# Altium PCB PicoHAL.pcbdoc (part 2 of 5) (continued)
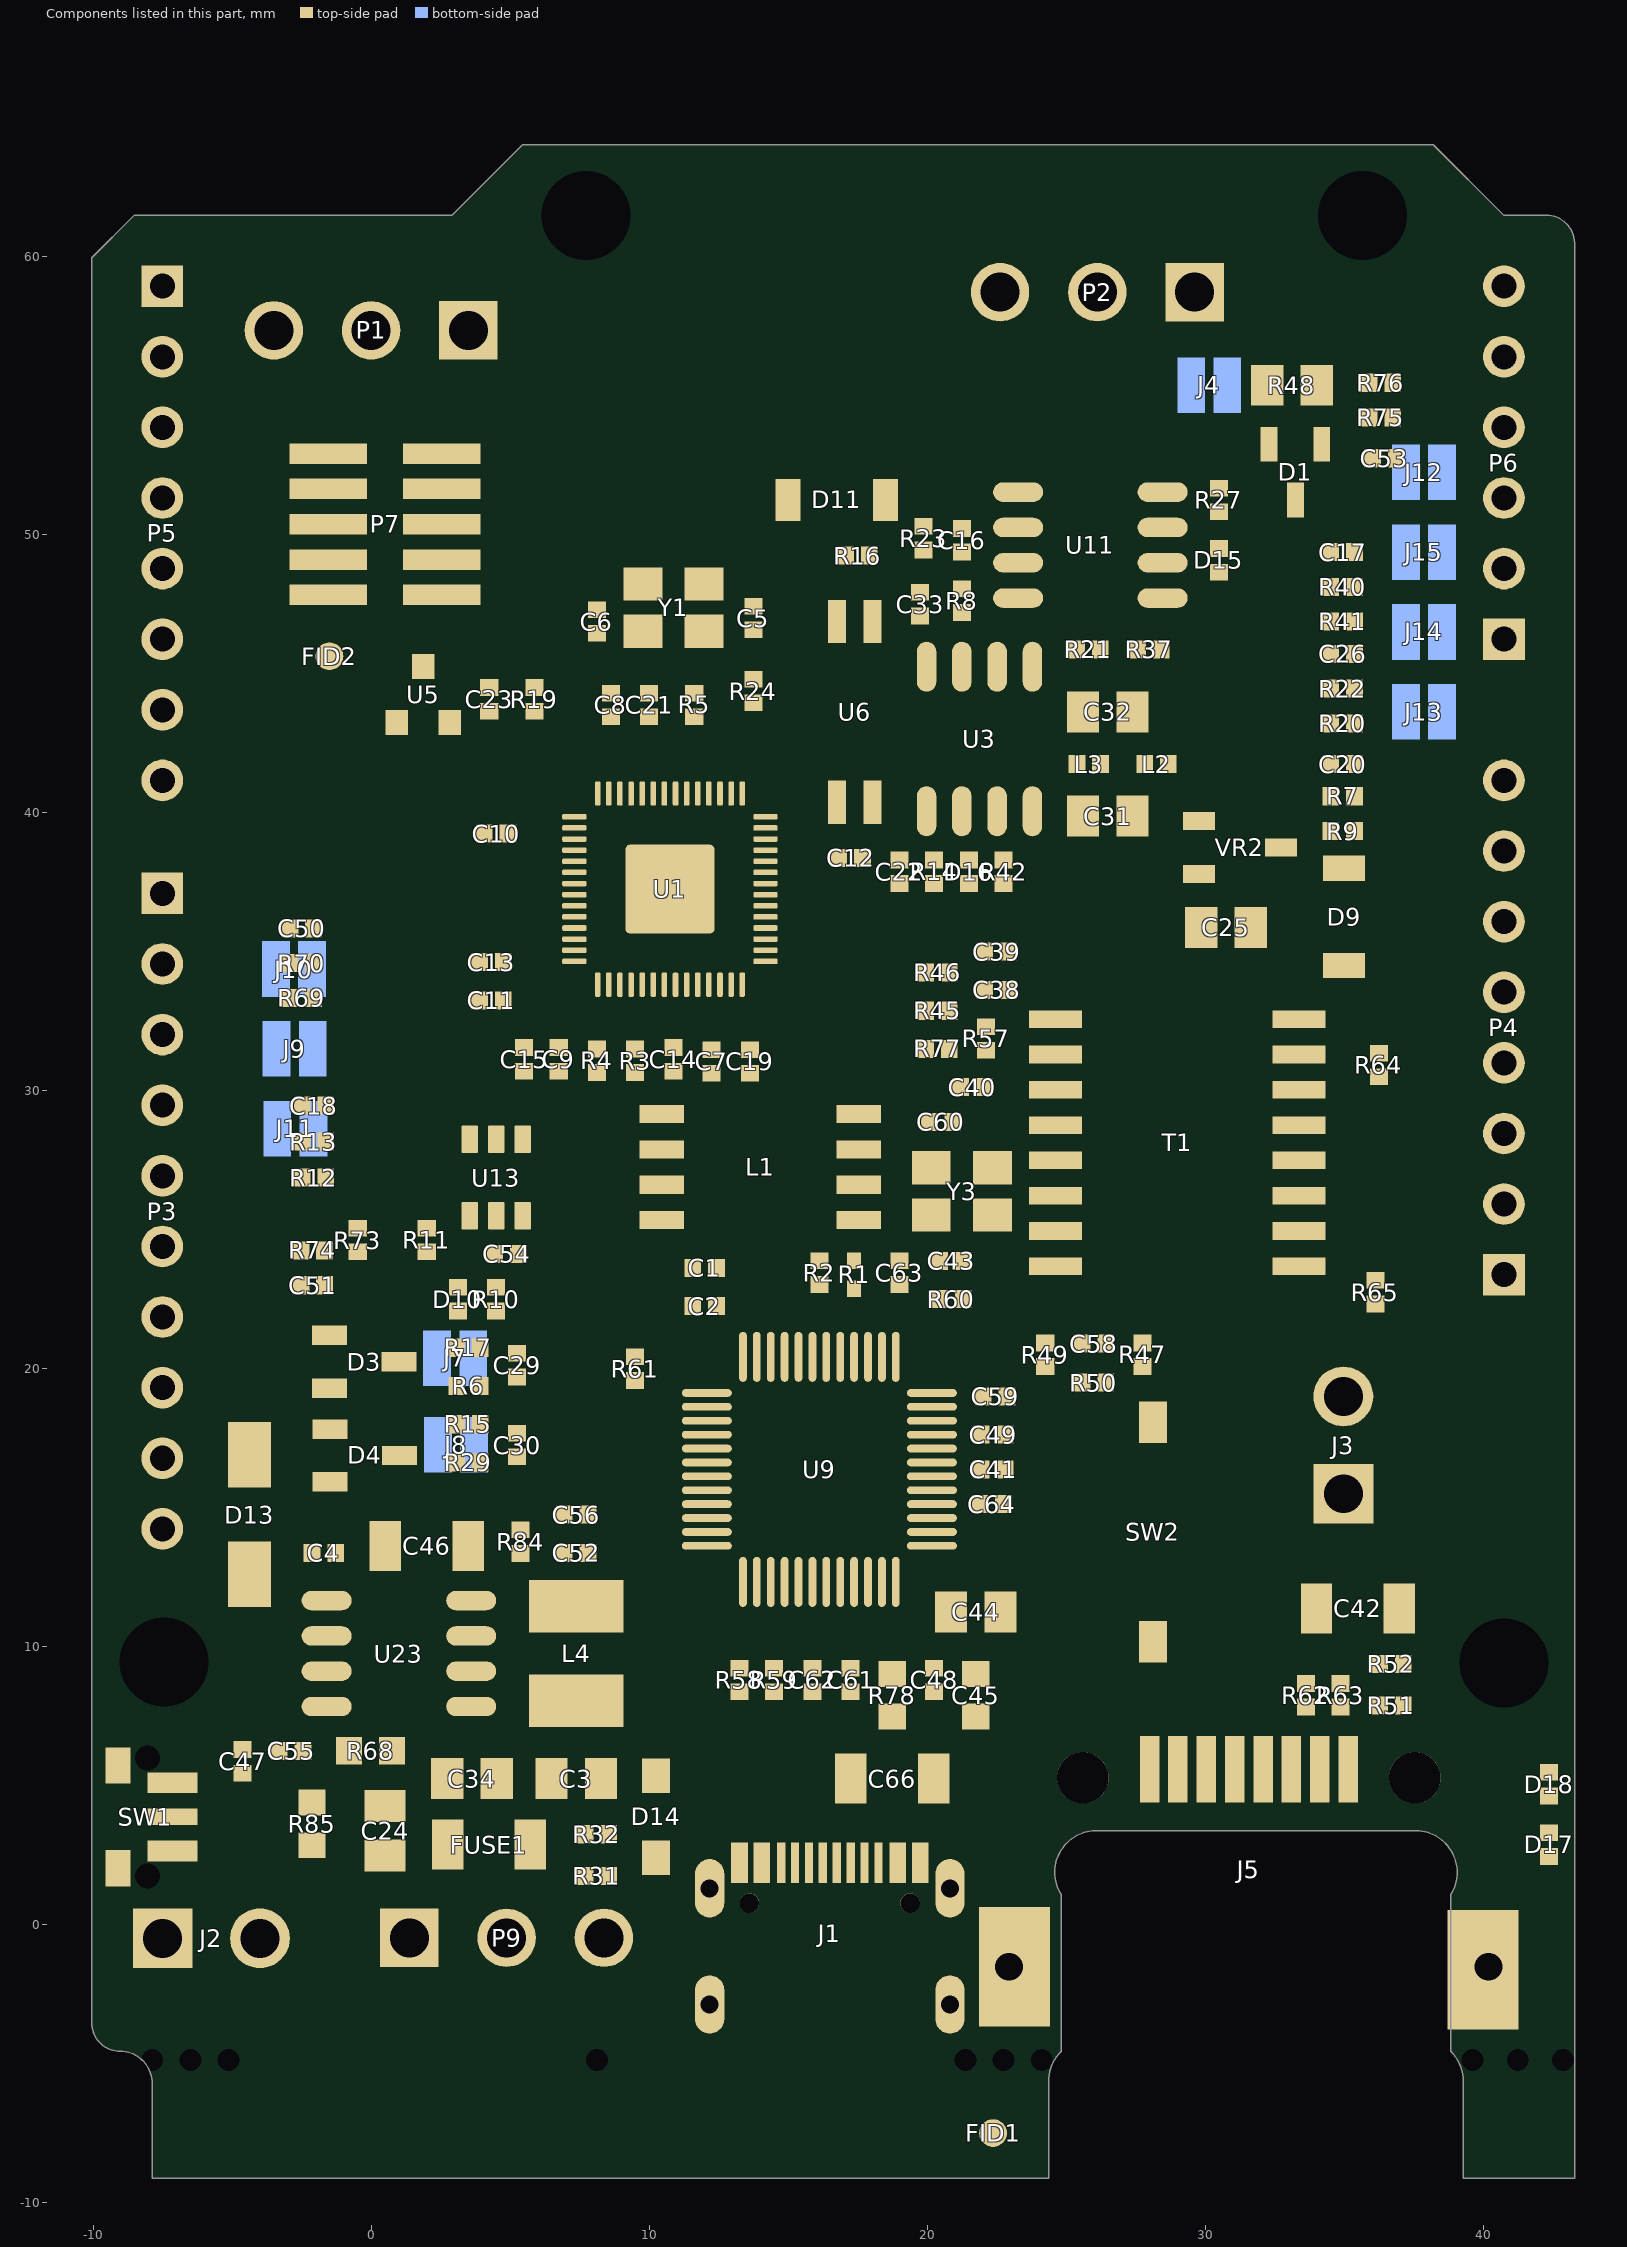
[diagram p4: the components of this part, seen from the top]
## Free pads (board coordinates) (continued)
1(13.932,58.103) 1(13.932,58.103) 1(13.951,58.084) 1(13.951,58.084) 1(13.964,55.602) 1(13.964,55.602) 1(13.964,58.084) 1(13.964,58.084) 1(13.983,58.064) 1(13.983,58.064) 1(13.996,58.064) 1(13.996,58.064) 1(14.009,55.608) 1(14.009,55.608) 1(14.015,58.045) 1(14.015,58.045) 1(14.028,56.156) 1(14.028,56.156) 1(14.028,58.045) 1(14.028,58.045) 1(14.041,57.213) 1(14.041,57.213) 1(14.054,55.627) 1(14.054,55.627) 1(14.08,58.013) 1(14.08,58.013) 1(14.086,57.188) 1(14.086,57.188) 1(14.099,55.634) 1(14.099,55.634) 1(14.125,56.188) 1(14.125,56.188) 1(14.125,57.981) 1(14.125,57.981) 1(14.132,57.162) 1(14.132,57.162) 1(14.138,57.981) 1(14.138,57.981) 1(14.144,55.653) 1(14.144,55.653) 1(14.144,57.967) 1(14.144,57.967) 1(14.157,57.967) 1(14.157,57.967) 1(14.176,57.136) 1(14.176,57.136) 1(14.176,57.948) 1(14.176,57.948) 1(14.19,57.948) 1(14.19,57.948) 1(14.19,55.66) 1(14.19,55.66) 1(14.222,57.11) 1(14.222,57.11) 1(14.222,56.208) 1(14.222,56.208) 1(14.234,55.679) 1(14.234,55.679) 1(14.241,57.916) 1(14.241,57.916) 1(14.267,57.084) 1(14.267,57.084) 1(14.28,55.685) 1(14.28,55.685) 1(14.286,57.884) 1(14.286,57.884) 1(14.299,57.884) 1(14.299,57.884) 1(14.305,57.871) 1(14.305,57.871) 1(14.312,57.059) 1(14.312,57.059) 1(14.319,57.871) 1(14.319,57.871) 1(14.325,57.858) 1(14.325,57.858) 1(14.325,55.705) 1(14.325,55.705) 1(14.338,57.858) 1(14.338,57.858) 1(14.344,57.046) 1(14.344,57.046) 1(14.344,57.845) 1(14.344,57.845) 1(14.357,56.24) 1(14.357,56.24) 1(14.357,57.845) 1(14.357,57.845) 1(14.363,57.832) 1(14.363,57.832) 1(14.37,55.711) 1(14.37,55.711) 1(14.376,57.832) 1(14.376,57.832) 1(14.383,57.819) 1(14.383,57.819) 1(14.39,57.013) 1(14.39,57.013) 1(14.396,57.819) 1(14.396,57.819) 1(14.402,57.806) 1(14.402,57.806) 1(14.402,56.259) 1(14.402,56.259) 1(14.409,57.007) 1(14.409,57.007) 1(14.415,55.731) 1(14.415,55.731) 1(14.415,57.806) 1(14.415,57.806) 1(14.434,57.787) 1(14.434,57.787) 1(14.447,57.787) 1(14.447,57.787) 1(14.46,55.737) 1(14.46,55.737) 1(14.46,56.265) 1(14.46,56.265) 1(14.46,56.968) 1(14.46,56.968) 1(14.473,57.761) 1(14.473,57.761) 1(14.486,57.761) 1(14.486,57.761) 1(14.499,57.742) 1(14.499,57.742) 1(14.505,56.285) 1(14.505,56.285) 1(14.505,56.942) 1(14.505,56.942) 1(14.512,57.742) 1(14.512,57.742) 1(14.525,57.723) 1(14.525,57.723) 1(14.531,55.763) 1(14.531,55.763) 1(14.538,56.93) 1(14.538,56.93) 1(14.538,57.723) 1(14.538,57.723) 1(14.544,57.71) 1(14.544,57.71) 1(14.557,57.71) 1(14.557,57.71) 1(14.563,57.697) 1(14.563,57.697) 1(14.576,57.697) 1(14.576,57.697) 1(14.583,56.898) 1(14.583,56.898) 1(14.596,56.298) 1(14.596,56.298) 1(14.596,57.677) 1(14.596,57.677) 1(14.602,55.775) 1(14.602,55.775) 1(14.609,57.677) 1(14.609,57.677) 1(14.628,56.878) 1(14.628,56.878) 1(14.634,57.652) 1(14.634,57.652) 1(14.647,55.795) 1(14.647,55.795) 1(14.647,56.859) 1(14.647,56.859) 1(14.647,57.652) 1(14.647,57.652) 1(14.66,57.632) 1(14.66,57.632) 1(14.667,56.323) 1(14.667,56.323) 1(14.667,56.852) 1(14.667,56.852) 1(14.673,57.632) 1(14.673,57.632) 1(14.686,56.833) 1(14.686,56.833) 1(14.686,57.613) 1(14.686,57.613) 1(14.692,55.802) 1(14.692,55.802) 1(14.699,57.613) 1(14.699,57.613) 1(14.705,56.827) 1(14.705,56.827) 1(14.705,57.6) 1(14.705,57.6) 1(14.718,57.6) 1(14.718,57.6) 1(14.724,56.807) 1(14.724,56.807) 1(14.724,57.587) 1(14.724,57.587) 1(14.738,56.336) 1(14.738,56.336) 1(14.738,55.821) 1(14.738,55.821) 1(14.738,57.587) 1(14.738,57.587) 1(14.744,56.801) 1(14.744,56.801) 1(14.757,57.568) 1(14.757,57.568) 1(14.763,56.781) 1(14.763,56.781) 1(14.77,57.568) 1(14.77,57.568) 1(14.782,55.827) 1(14.782,55.827) 1(14.782,56.356) 1(14.782,56.356) 1(14.782,56.775) 1(14.782,56.775) 1(14.796,57.542) 1(14.796,57.542) 1(14.809,57.542) 1(14.809,57.542) 1(14.821,57.523) 1(14.821,57.523) 1(14.828,55.846) 1(14.828,55.846) 1(14.834,56.736) 1(14.834,56.736) 1(14.834,57.523) 1(14.834,57.523) 1(14.847,57.504) 1(14.847,57.504) 1(14.853,56.73) 1(14.853,56.73) 1(14.86,57.504) 1(14.86,57.504) 1(14.867,57.49) 1(14.867,57.49) 1(14.873,55.853) 1(14.873,55.853) 1(14.879,56.375) 1(14.879,56.375) 1(14.879,57.49) 1(14.879,57.49) 1(14.886,57.478) 1(14.886,57.478) 1(14.899,56.698) 1(14.899,56.698) 1(14.899,57.478) 1(14.899,57.478) 1(14.905,57.465) 1(14.905,57.465) 1(14.918,55.872) 1(14.918,55.872) 1(14.918,56.691) 1(14.918,56.691) 1(14.918,57.465) 1(14.918,57.465) 1(14.924,57.452) 1(14.924,57.452) 1(14.938,57.452) 1(14.938,57.452) 1(14.95,57.433) 1(14.95,57.433) 1(14.963,55.879) 1(14.963,55.879) 1(14.963,56.659) 1(14.963,56.659) 1(14.963,57.433) 1(14.963,57.433) 1(14.976,56.407) 1(14.976,56.407) 1(14.976,57.413) 1(14.976,57.413) 1(14.982,56.652) 1(14.982,56.652) 1(14.989,57.413) 1(14.989,57.413) 1(15.002,56.633) 1(15.002,56.633) 1(15.002,57.394) 1(15.002,57.394) 1(15.008,55.898) 1(15.008,55.898) 1(15.015,57.394) 1(15.015,57.394) 1(15.021,56.627) 1(15.021,56.627) 1(15.028,57.375) 1(15.028,57.375) 1(15.04,57.375) 1(15.04,57.375) 1(15.04,56.607) 1(15.04,56.607) 1(15.047,56.42) 1(15.047,56.42) 1(15.047,57.361) 1(15.047,57.361) 1(15.053,55.904) 1(15.053,55.904) 1(15.06,56.601) 1(15.06,56.601) 1(15.06,57.361) 1(15.06,57.361) 1(15.067,57.349) 1(15.067,57.349) 1(15.079,56.581) 1(15.079,56.581) 1(15.079,57.349) 1(15.079,57.349) 1(15.086,57.336) 1(15.086,57.336) 1(15.092,55.924) 1(15.092,55.924) 1(15.099,56.575) 1(15.099,56.575) 1(15.099,57.336) 1(15.099,57.336) 1(15.111,57.317) 1(15.111,57.317) 1(15.118,56.446) 1(15.118,56.446) 1(15.118,56.556) 1(15.118,56.556) 1(15.124,57.317) 1(15.124,57.317) 1(15.137,55.93) 1(15.137,55.93) 1(15.137,56.549) 1(15.137,56.549) 1(15.137,57.297) 1(15.137,57.297) 1(15.15,57.297) 1(15.15,57.297) 1(15.157,56.53) 1(15.157,56.53) 1(15.163,56.452) 1(15.163,56.452) 1(15.163,57.278) 1(15.163,57.278) 1(15.176,57.278) 1(15.176,57.278) 1(15.189,57.258) 1(15.189,57.258) 1(15.195,55.956) 1(15.195,55.956) 1(15.202,57.258) 1(15.202,57.258) 1(15.208,56.498) 1(15.208,56.498) 1(15.215,57.239) 1(15.215,57.239) 1(15.228,56.491) 1(15.228,56.491) 1(15.228,57.239) 1(15.228,57.239) 1(15.234,56.472) 1(15.234,56.472) 1(15.24,57.22) 1(15.24,57.22) 1(15.24,55.963) 1(15.24,55.963) 1(15.253,57.22) 1(15.253,57.22) 1(15.266,57.2) 1(15.266,57.2) 1(15.279,57.2) 1(15.279,57.2) 1(15.292,57.181) 1(15.292,57.181) 1(15.305,57.181) 1(15.305,57.181) 1(15.318,57.162) 1(15.318,57.162) 1(15.33,57.162) 1(15.33,57.162) 1(15.357,57.129) 1(15.357,57.129) 1(15.369,57.129) 1(15.369,57.129) 1(15.395,57.097) 1(15.395,57.097) 1(15.408,57.097) 1(15.408,57.097) 1(15.421,57.078) 1(15.421,57.078) 1(15.421,56.027) 1(15.421,56.027) 1(15.434,57.078) 1(15.434,57.078) 1(15.447,57.059) 1(15.447,57.059) 1(15.459,57.059) 1(15.459,57.059) 1(15.466,56.033) 1(15.466,56.033) 1(15.473,57.039) 1(15.473,57.039) 1(15.486,57.039) 1(15.486,57.039) 1(15.498,57.02) 1(15.498,57.02) 1(15.511,57.02) 1(15.511,57.02) 1(15.511,56.053) 1(15.511,56.053) 1(15.524,57) 1(15.524,57) 1(15.537,57) 1(15.537,57) 1(15.55,56.981) 1(15.55,56.981) 1(15.556,56.059) 1(15.556,56.059) 1(15.563,56.981) 1(15.563,56.981) 1(15.588,56.949) 1(15.588,56.949) 1(15.601,56.949) 1(15.601,56.949) 1(15.621,56.923) 1(15.621,56.923) 1(15.634,56.923) 1(15.634,56.923) 1(15.659,56.891) 1(15.659,56.891) 1(15.672,56.891) 1(15.672,56.891) 1(15.698,56.859) 1(15.698,56.859) 1(15.711,56.859) 1(15.711,56.859) 1(15.724,56.839) 1(15.724,56.839) 1(15.737,56.839) 1(15.737,56.839) 1(15.75,56.13) 1(15.75,56.13) 1(15.75,56.82) 1(15.75,56.82) 1(15.763,56.82) 1(15.763,56.82) 1(15.769,56.124) 1(15.769,56.124) 1(15.776,56.801) 1(15.776,56.801) 1(15.788,56.117) 1(15.788,56.117) 1(15.788,56.801) 1(15.788,56.801) 1(15.814,56.092) 1(15.814,56.092) 1(15.834,56.085) 1(15.834,56.085) 1(15.84,56.742) 1(15.84,56.742) 1(15.853,56.065) 1(15.853,56.065) 1(15.853,56.742) 1(15.853,56.742) 1(15.859,56.73) 1(15.859,56.73) 1(15.872,56.059) 1(15.872,56.059) 1(15.872,56.73) 1(15.872,56.73) 1(15.892,56.04) 1(15.892,56.04) 1(15.898,56.698) 1(15.898,56.698) 1(15.911,56.698) 1(15.911,56.698) 1(15.911,56.033) 1(15.911,56.033) 1(15.924,56.678) 1(15.924,56.678) 1(15.93,56.014) 1(15.93,56.014) 1(15.937,56.678) 1(15.937,56.678) 1(15.943,56.665) 1(15.943,56.665) 1(15.949,56.008) 1(15.949,56.008) 1(15.969,55.988) 1(15.969,55.988) 1(15.988,55.982) 1(15.988,55.982) 1(16.014,55.956) 1(16.014,55.956) 1(16.034,55.95) 1(16.034,55.95) 1(16.046,56.691) 1(16.046,56.691) 1(16.053,55.93) 1(16.053,55.93) 1(16.072,55.924) 1(16.072,55.924) 1(16.091,56.71) 1(16.091,56.71) 1(16.098,55.898) 1(16.098,55.898) 1(16.117,55.892) 1(16.117,55.892) 1(16.136,55.872) 1(16.136,55.872) 1(16.136,56.717) 1(16.136,56.717) 1(16.156,55.866) 1(16.156,55.866) 1(16.163,55.853) 1(16.163,55.853) 1(16.182,56.736) 1(16.182,56.736) 1(16.182,55.846) 1(16.182,55.846) 1(16.201,55.827) 1(16.201,55.827) 1(16.22,55.821) 1(16.22,55.821) 1(16.227,56.742) 1(16.227,56.742) 1(16.246,55.795) 1(16.246,55.795) 1(16.272,56.762) 1(16.272,56.762) 1(16.298,55.763) 1(16.298,55.763) 1(16.317,55.756) 1(16.317,55.756) 1(16.317,56.769) 1(16.317,56.769) 1(16.324,55.743) 1(16.324,55.743) 1(16.343,55.737) 1(16.343,55.737) 1(16.349,56.323) 1(16.349,56.323) 1(16.349,55.724) 1(16.349,55.724) 1(16.356,56.311) 1(16.356,56.311) 1(16.362,56.788) 1(16.362,56.788) 1(16.369,55.717) 1(16.369,55.717) 1(16.369,56.311) 1(16.369,56.311) 1(16.375,55.705) 1(16.375,55.705) 1(16.394,55.698) 1(16.394,55.698) 1(16.401,55.685) 1(16.401,55.685) 1(16.407,56.794) 1(16.407,56.794) 1(16.42,55.679) 1(16.42,55.679) 1(16.426,55.666) 1(16.426,55.666) 1(16.426,56.246) 1(16.426,56.246) 1(16.44,56.246) 1(16.44,56.246) 1(16.446,55.66) 1(16.446,55.66) 1(16.453,55.646) 1(16.453,55.646) 1(16.465,56.214) 1(16.465,56.214) 1(16.472,55.64) 1(16.472,55.64) 1(16.472,56.82) 1(16.472,56.82) 1(16.478,56.214) 1(16.478,56.214) 1(16.497,55.614) 1(16.497,55.614) 1(16.517,55.608) 1(16.517,55.608) 1(16.517,56.169) 1(16.517,56.169) 1(16.517,56.827) 1(16.517,56.827) 1(16.53,56.169) 1(16.53,56.169) 1(16.543,55.582) 1(16.543,55.582) 1(16.562,55.576) 1(16.562,55.576) 1(16.562,56.846) 1(16.562,56.846) 1(16.569,55.563) 1(16.569,55.563) 1(16.575,56.117) 1(16.575,56.117) 1(16.588,55.556) 1(16.588,55.556) 1(16.588,56.117) 1(16.588,56.117) 1(16.607,55.537) 1(16.607,55.537) 1(16.607,56.414) 1(16.607,56.414) 1(16.607,56.852) 1(16.607,56.852) 1(16.626,55.531) 1(16.626,55.531) 1(16.626,56.072) 1(16.626,56.072) 1(16.626,56.865) 1(16.626,56.865) 1(16.64,56.072) 1(16.64,56.072) 1(16.652,55.505) 1(16.652,55.505) 1(16.672,55.498) 1(16.672,55.498) 1(16.697,55.473) 1(16.697,55.473) 1(16.697,56.878) 1(16.697,56.878) 1(16.704,56.001) 1(16.704,56.001) 1(16.717,55.466) 1(16.717,55.466) 1(16.717,56.001) 1(16.717,56.001) 1(16.723,55.453) 1(16.723,55.453) 1(16.736,55.975) 1(16.736,55.975) 1(16.743,55.447) 1(16.743,55.447) 1(16.743,56.898) 1(16.743,56.898) 1(16.749,55.975) 1(16.749,55.975) 1(16.762,55.427) 1(16.762,55.427) 1(16.775,56.472) 1(16.775,56.472) 1(16.781,55.421) 1(16.781,55.421) 1(16.788,55.408) 1(16.788,55.408) 1(16.788,55.93) 1(16.788,55.93) 1(16.788,56.904) 1(16.788,56.904) 1(16.801,55.93) 1(16.801,55.93) 1(16.807,55.402) 1(16.807,55.402) 1(16.807,55.911) 1(16.807,55.911) 1(16.813,55.911) 1(16.813,55.911) 1(16.826,55.382) 1(16.826,55.382) 1(16.833,56.923) 1(16.833,56.923) 1(16.846,55.376) 1(16.846,55.376) 1(16.846,55.872) 1(16.846,55.872) 1(16.859,55.872) 1(16.859,55.872) 1(16.865,56.498) 1(16.865,56.498) 1(16.872,55.35) 1(16.872,55.35) 1(16.878,56.93) 1(16.878,56.93) 1(16.891,55.344) 1(16.891,55.344) 1(16.91,55.324) 1(16.91,55.324) 1(16.923,56.949) 1(16.923,56.949) 1(16.93,55.318) 1(16.93,55.318) 1(16.936,55.305) 1(16.936,55.305) 1(16.936,56.53) 1(16.936,56.53) 1(16.955,55.769) 1(16.955,55.769) 1(16.955,55.298) 1(16.955,55.298) 1(16.968,56.955) 1(16.968,56.955) 1(16.968,55.769) 1(16.968,55.769) 1(16.981,55.273) 1(16.981,55.273) 1(17.001,55.266) 1(17.001,55.266) 1(17.007,55.254) 1(17.007,55.254) 1(17.013,56.975) 1(17.013,56.975) 1(17.02,55.711) 1(17.02,55.711) 1(17.026,56.556) 1(17.026,56.556) 1(17.026,55.247) 1(17.026,55.247) 1(17.033,55.711) 1(17.033,55.711) 1(17.052,55.221) 1(17.052,55.221) 1(17.059,56.981) 1(17.059,56.981) 1(17.071,55.215) 1(17.071,55.215) 1(17.078,56.994) 1(17.078,56.994) 1(17.084,55.195) 1(17.084,55.195) 1(17.097,55.64) 1(17.097,55.64) 1(17.097,56.588) 1(17.097,56.588) 1(17.103,55.189) 1(17.103,55.189) 1(17.11,55.176) 1(17.11,55.176) 1(17.11,55.64) 1(17.11,55.64) 1(17.123,57) 1(17.123,57) 1(17.13,55.169) 1(17.13,55.169) 1(17.136,55.157) 1(17.136,55.157) 1(17.155,55.15) 1(17.155,55.15) 1(17.162,55.137) 1(17.162,55.137) 1(17.168,55.576) 1(17.168,55.576) 1(17.181,55.131) 1(17.181,55.131) 1(17.181,55.576) 1(17.181,55.576) 1(17.188,57.027) 1(17.188,57.027) 1(17.188,55.118) 1(17.188,55.118) 1(17.188,56.613) 1(17.188,56.613) 1(17.207,55.111) 1(17.207,55.111) 1(17.232,57.033) 1(17.232,57.033) 1(17.232,55.086) 1(17.232,55.086) 1(17.252,55.079) 1(17.252,55.079) 1(17.259,56.646) 1(17.259,56.646) 1(17.265,55.485) 1(17.265,55.485) 1(17.278,55.054) 1(17.278,55.054) 1(17.278,55.485) 1(17.278,55.485) 1(17.297,55.047) 1(17.297,55.047) 1(17.297,57.059) 1(17.297,57.059) 1(17.323,55.021) 1(17.323,55.021) 1(17.336,55.421) 1(17.336,55.421) 1(17.342,55.015) 1(17.342,55.015) 1(17.342,57.065) 1(17.342,57.065) 1(17.349,55.002) 1(17.349,55.002) 1(17.349,55.421) 1(17.349,55.421) 1(17.368,54.996) 1(17.368,54.996) 1(17.374,54.983) 1(17.374,54.983) 1(17.388,57.084) 1(17.388,57.084) 1(17.394,54.976) 1(17.394,54.976) 1(17.4,54.963) 1(17.4,54.963) 1(17.42,54.957) 1(17.42,54.957) 1(17.426,54.944) 1(17.426,54.944) 1(17.432,57.091) 1(17.432,57.091) 1(17.445,54.937) 1(17.445,54.937) 1(17.452,57.104) 1(17.452,57.104) 1(17.452,54.925) 1(17.452,54.925) 1(17.465,56.71) 1(17.465,56.71) 1(17.471,54.918) 1(17.471,54.918) 1(17.478,54.905) 1(17.478,54.905) 1(17.497,54.899) 1(17.497,54.899) 1(17.497,55.266) 1(17.497,55.266) 1(17.497,56.73) 1(17.497,56.73) 1(17.497,57.11) 1(17.497,57.11) 1(17.503,54.886) 1(17.503,54.886) 1(17.51,55.266) 1(17.51,55.266) 1(17.523,54.879) 1(17.523,54.879) 1(17.529,56.736) 1(17.529,56.736) 1(17.529,54.867) 1(17.529,54.867) 1(17.542,57.129) 1(17.542,57.129) 1(17.549,54.86) 1(17.549,54.86) 1(17.561,56.756) 1(17.561,56.756) 1(17.574,54.834) 1(17.574,54.834) 1(17.574,55.195) 1(17.574,55.195) 1(17.587,55.195) 1(17.587,55.195) 1(17.587,57.136) 1(17.587,57.136) 1(17.594,54.828) 1(17.594,54.828) 1(17.6,54.815) 1(17.6,54.815) 1(17.607,57.149) 1(17.607,57.149) 1(17.619,54.808) 1(17.619,54.808) 1(17.626,54.796) 1(17.626,54.796) 1(17.645,54.789) 1(17.645,54.789) 1(17.651,54.776) 1(17.651,54.776) 1(17.671,54.77) 1(17.671,54.77) 1(17.678,57.162) 1(17.678,57.162) 1(17.697,54.744) 1(17.697,54.744) 1(17.71,55.066) 1(17.71,55.066) 1(17.71,56.801) 1(17.71,56.801) 1(17.716,54.738) 1(17.716,54.738) 1(17.723,55.066) 1(17.723,55.066) 1(17.723,57.181) 1(17.723,57.181) 1(17.729,54.718) 1(17.729,54.718) 1(17.748,54.712) 1(17.748,54.712) 1(17.755,54.699) 1(17.755,54.699) 1(17.768,57.188) 1(17.768,57.188) 1(17.774,54.692) 1(17.774,54.692) 1(17.78,54.679) 1(17.78,54.679) 1(17.78,56.833) 1(17.78,56.833) 1(17.8,54.673) 1(17.8,54.673) 1(17.8,54.983) 1(17.8,54.983) 1(17.807,54.66) 1(17.807,54.66) 1(17.813,54.983) 1(17.813,54.983) 1(17.813,57.207) 1(17.813,57.207) 1(17.826,54.654) 1(17.826,54.654) 1(17.832,54.641) 1(17.832,54.641) 1(17.851,56.852) 1(17.851,56.852) 1(17.851,54.634) 1(17.851,54.634) 1(17.851,54.937) 1(17.851,54.937) 1(17.858,57.213) 1(17.858,57.213) 1(17.858,54.621) 1(17.858,54.621) 1(17.865,54.937) 1(17.865,54.937) 1(17.877,54.615) 1(17.877,54.615) 1(17.884,54.602) 1(17.884,54.602) 1(17.903,54.596) 1(17.903,54.596) 1(17.903,57.233) 1(17.903,57.233) 1(17.909,54.583) 1(17.909,54.583) 1(17.923,56.884) 1(17.923,56.884) 1(17.929,54.577) 1(17.929,54.577) 1(17.936,54.563) 1(17.936,54.563) 1(17.948,57.239) 1(17.948,57.239) 1(17.955,54.557) 1(17.955,54.557) 1(17.961,54.544) 1(17.961,54.544) 1(17.98,54.538) 1(17.98,54.538) 1(17.994,56.904) 1(17.994,56.904) 1(17.994,57.258) 1(17.994,57.258) 1(18.006,54.512) 1(18.006,54.512) 1(18.013,54.783) 1(18.013,54.783) 1(18.026,54.783) 1(18.026,54.783) 1(18.026,56.923) 1(18.026,56.923) 1(18.026,54.506) 1(18.026,54.506) 1(18.032,54.492) 1(18.032,54.492) 1(18.038,57.265) 1(18.038,57.265) 1(18.051,54.486) 1(18.051,54.486) 1(18.058,54.473) 1(18.058,54.473) 1(18.058,56.93) 1(18.058,56.93) 1(18.071,54.731) 1(18.071,54.731) 1(18.077,54.467) 1(18.077,54.467) 1(18.084,54.731) 1(18.084,54.731) 1(18.084,57.284) 1(18.084,57.284) 1(18.09,56.949) 1(18.09,56.949) 1(18.103,54.441) 1(18.103,54.441) 1(18.122,54.435) 1(18.122,54.435) 1(18.122,56.955) 1(18.122,56.955) 1(18.129,54.421) 1(18.129,54.421) 1(18.129,57.29) 1(18.129,57.29) 1(18.142,54.667) 1(18.142,54.667) 1(18.148,54.415) 1(18.148,54.415) 1(18.155,54.402) 1(18.155,54.402) 1(18.155,54.667) 1(18.155,54.667) 1(18.155,56.975) 1(18.155,56.975) 1(18.174,54.396) 1(18.174,54.396) 1(18.174,57.31) 1(18.174,57.31) 1(18.187,56.981) 1(18.187,56.981) 1(18.199,54.37) 1(18.199,54.37) 1(18.219,54.364) 1(18.219,54.364) 1(18.219,57) 1(18.219,57) 1(18.226,54.351) 1(18.226,54.351) 1(18.245,57.323) 1(18.245,57.323) 1(18.245,54.344) 1(18.245,54.344) 1(18.251,57.007) 1(18.251,57.007) 1(18.264,54.55) 1(18.264,54.55) 1(18.27,54.319) 1(18.27,54.319) 1(18.277,54.55) 1(18.277,54.55) 1(18.284,57.027) 1(18.284,57.027) 1(18.29,54.312) 1(18.29,54.312) 1(18.29,57.342) 1(18.29,57.342) 1(18.303,54.292) 1(18.303,54.292) 1(18.316,57.033) 1(18.316,57.033) 1(18.322,54.286) 1(18.322,54.286) 1(18.328,54.273) 1(18.328,54.273) 1(18.335,57.349) 1(18.335,57.349) 1(18.348,54.267) 1(18.348,54.267) 1(18.348,57.052) 1(18.348,57.052) 1(18.361,54.248) 1(18.361,54.248) 1(18.367,54.454) 1(18.367,54.454) 1(18.38,54.241) 1(18.38,54.241) 1(18.38,54.454) 1(18.38,54.454) 1(18.38,57.059) 1(18.38,57.059) 1(18.387,54.228) 1(18.387,54.228) 1(18.406,54.222) 1(18.406,54.222) 1(18.413,54.209) 1(18.413,54.209) 1(18.419,54.409) 1(18.419,54.409) 1(18.432,54.409) 1(18.432,54.409) 1(18.432,54.202) 1(18.432,54.202) 1(18.432,57.084) 1(18.432,57.084) 1(18.438,54.19) 1(18.438,54.19) 1(18.457,54.183) 1(18.457,54.183) 1(18.464,57.091) 1(18.464,57.091) 1(18.484,54.157) 1(18.484,54.157) 1(18.496,57.11) 1(18.496,57.11) 1(18.503,54.151) 1(18.503,54.151) 1(18.528,54.125) 1(18.528,54.125) 1(18.528,57.117) 1(18.528,57.117) 1(18.548,54.119) 1(18.548,54.119) 1(18.554,54.106) 1(18.554,54.106) 1(18.561,57.136) 1(18.561,57.136) 1(18.567,54.267) 1(18.567,54.267) 1(18.574,54.099) 1(18.574,54.099) 1(18.58,54.267) 1(18.58,54.267) 1(18.593,57.142) 1(18.593,57.142) 1(18.599,54.073) 1(18.599,54.073) 1(18.606,57.155) 1(18.606,57.155) 1(18.619,54.222) 1(18.619,54.222) 1(18.632,54.222) 1(18.632,54.222) 1(18.638,57.162) 1(18.638,57.162) 1(18.645,54.054) 1(18.645,54.054) 1(18.664,54.035) 1(18.664,54.035) 1(18.67,57.181) 1(18.67,57.181) 1(18.683,54.029) 1(18.683,54.029) 1(18.69,54.157) 1(18.69,54.157) 1(18.696,54.009) 1(18.696,54.009) 1(18.703,54.157) 1(18.703,54.157) 1(18.703,57.188) 1(18.703,57.188) 1(18.741,53.983) 1(18.741,53.983) 1(18.754,54.099) 1(18.754,54.099) 1(18.754,57.213) 1(18.754,57.213) 1(18.767,54.035) 1(18.767,54.035) 1(18.767,54.099) 1(18.767,54.099) 1(18.774,54.035) 1(18.774,54.035) 1(18.774,54.073) 1(18.774,54.073) 1(18.774,54.08) 1(18.774,54.08) 1(18.78,53.99) 1(18.78,53.99) 1(18.78,54.067) 1(18.78,54.067) 1(18.786,53.99) 1(18.786,53.99) 1(18.786,54.08) 1(18.786,54.08) 1(18.786,57.22) 1(18.786,57.22) 1(18.793,53.97) 1(18.793,53.97) 1(18.819,57.239) 1(18.819,57.239) 1(18.851,57.246) 1(18.851,57.246) 1(18.864,57.258) 1(18.864,57.258) 1(18.896,57.265) 1(18.896,57.265) 1(18.941,57.51) 1(18.941,57.51) 1(18.941,57.29) 1(18.941,57.29) 1(18.973,57.297) 1(18.973,57.297) 1(18.999,57.317) 1(18.999,57.317) 1(19.032,57.323) 1(19.032,57.323) 1(19.044,57.336) 1(19.044,57.336) 1(19.076,57.342) 1(19.076,57.342) 1(19.109,57.361) 1(19.109,57.361) 1(19.141,57.368) 1(19.141,57.368) 1(19.18,57.568) 1(19.18,57.568) 1(19.244,57.426) 1(19.244,57.426) 1(19.276,57.433) 1(19.276,57.433) 1(19.289,57.446) 1(19.289,57.446) 1(19.322,57.452) 1(19.322,57.452) 1(19.36,57.613) 1(19.36,57.613) 1(19.373,57.484) 1(19.373,57.484) 1(19.418,57.497) 1(19.418,57.497) 1(19.463,57.529) 1(19.463,57.529) 1(19.521,57.555) 1(19.521,57.555) 1(19.521,57.632) 1(19.521,57.632) 1(19.56,57.594) 1(19.56,57.594) 1(19.567,57.619) 1(19.567,57.619)